# Altium PCB IOT2.PcbDoc
Units mm, origin at the board's own origin, x right, y up, seen from the top; angles counter-clockwise.
Board outline 78.49 x 72.26 mm, 2 copper layers (Top Layer, Bottom Layer); 16 components, 22 nets, 90 pads, 12 vias.
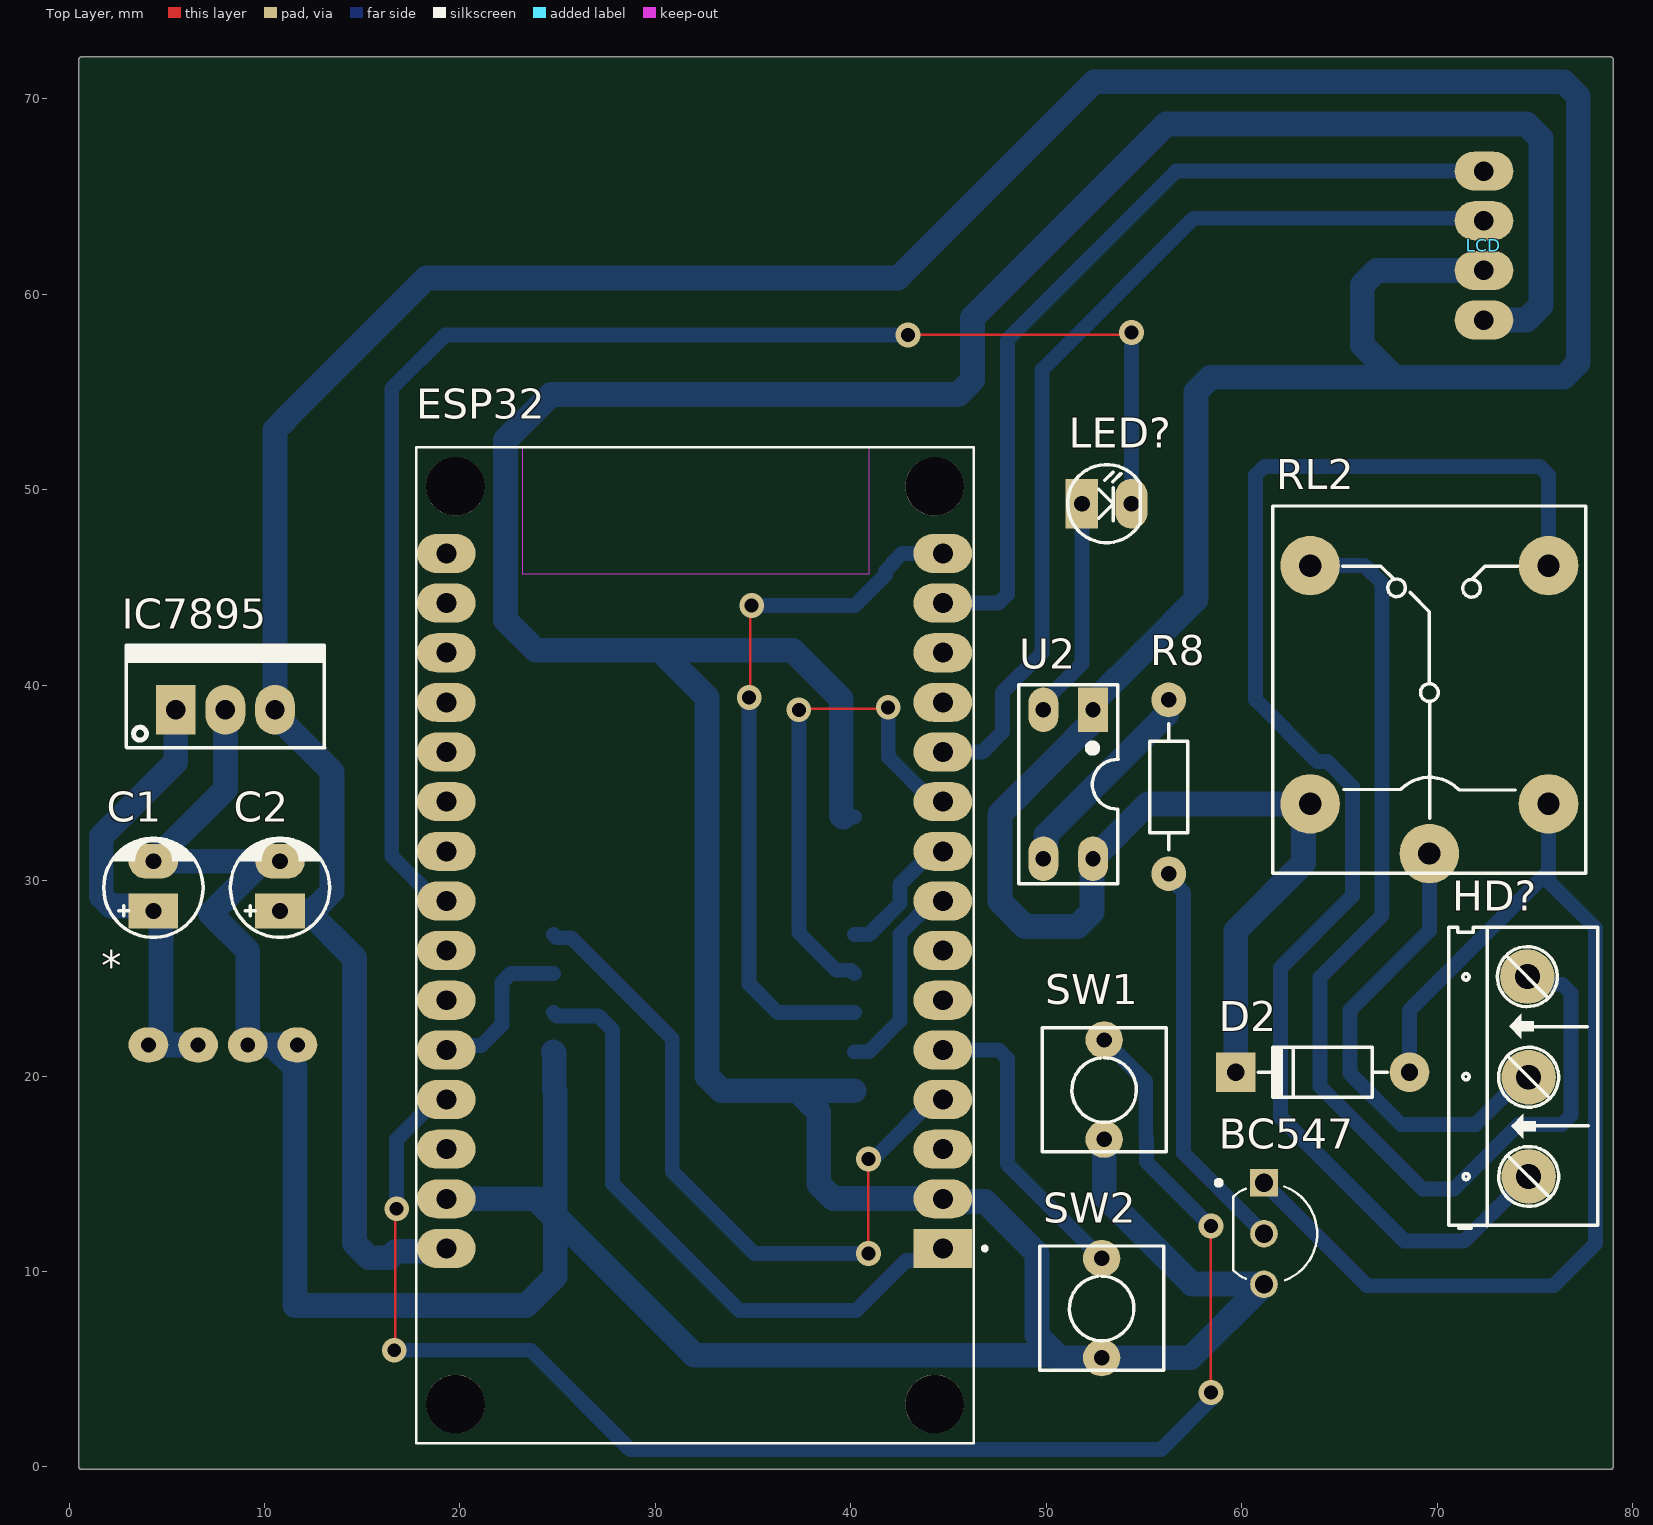
[diagram p0: Top Layer view]
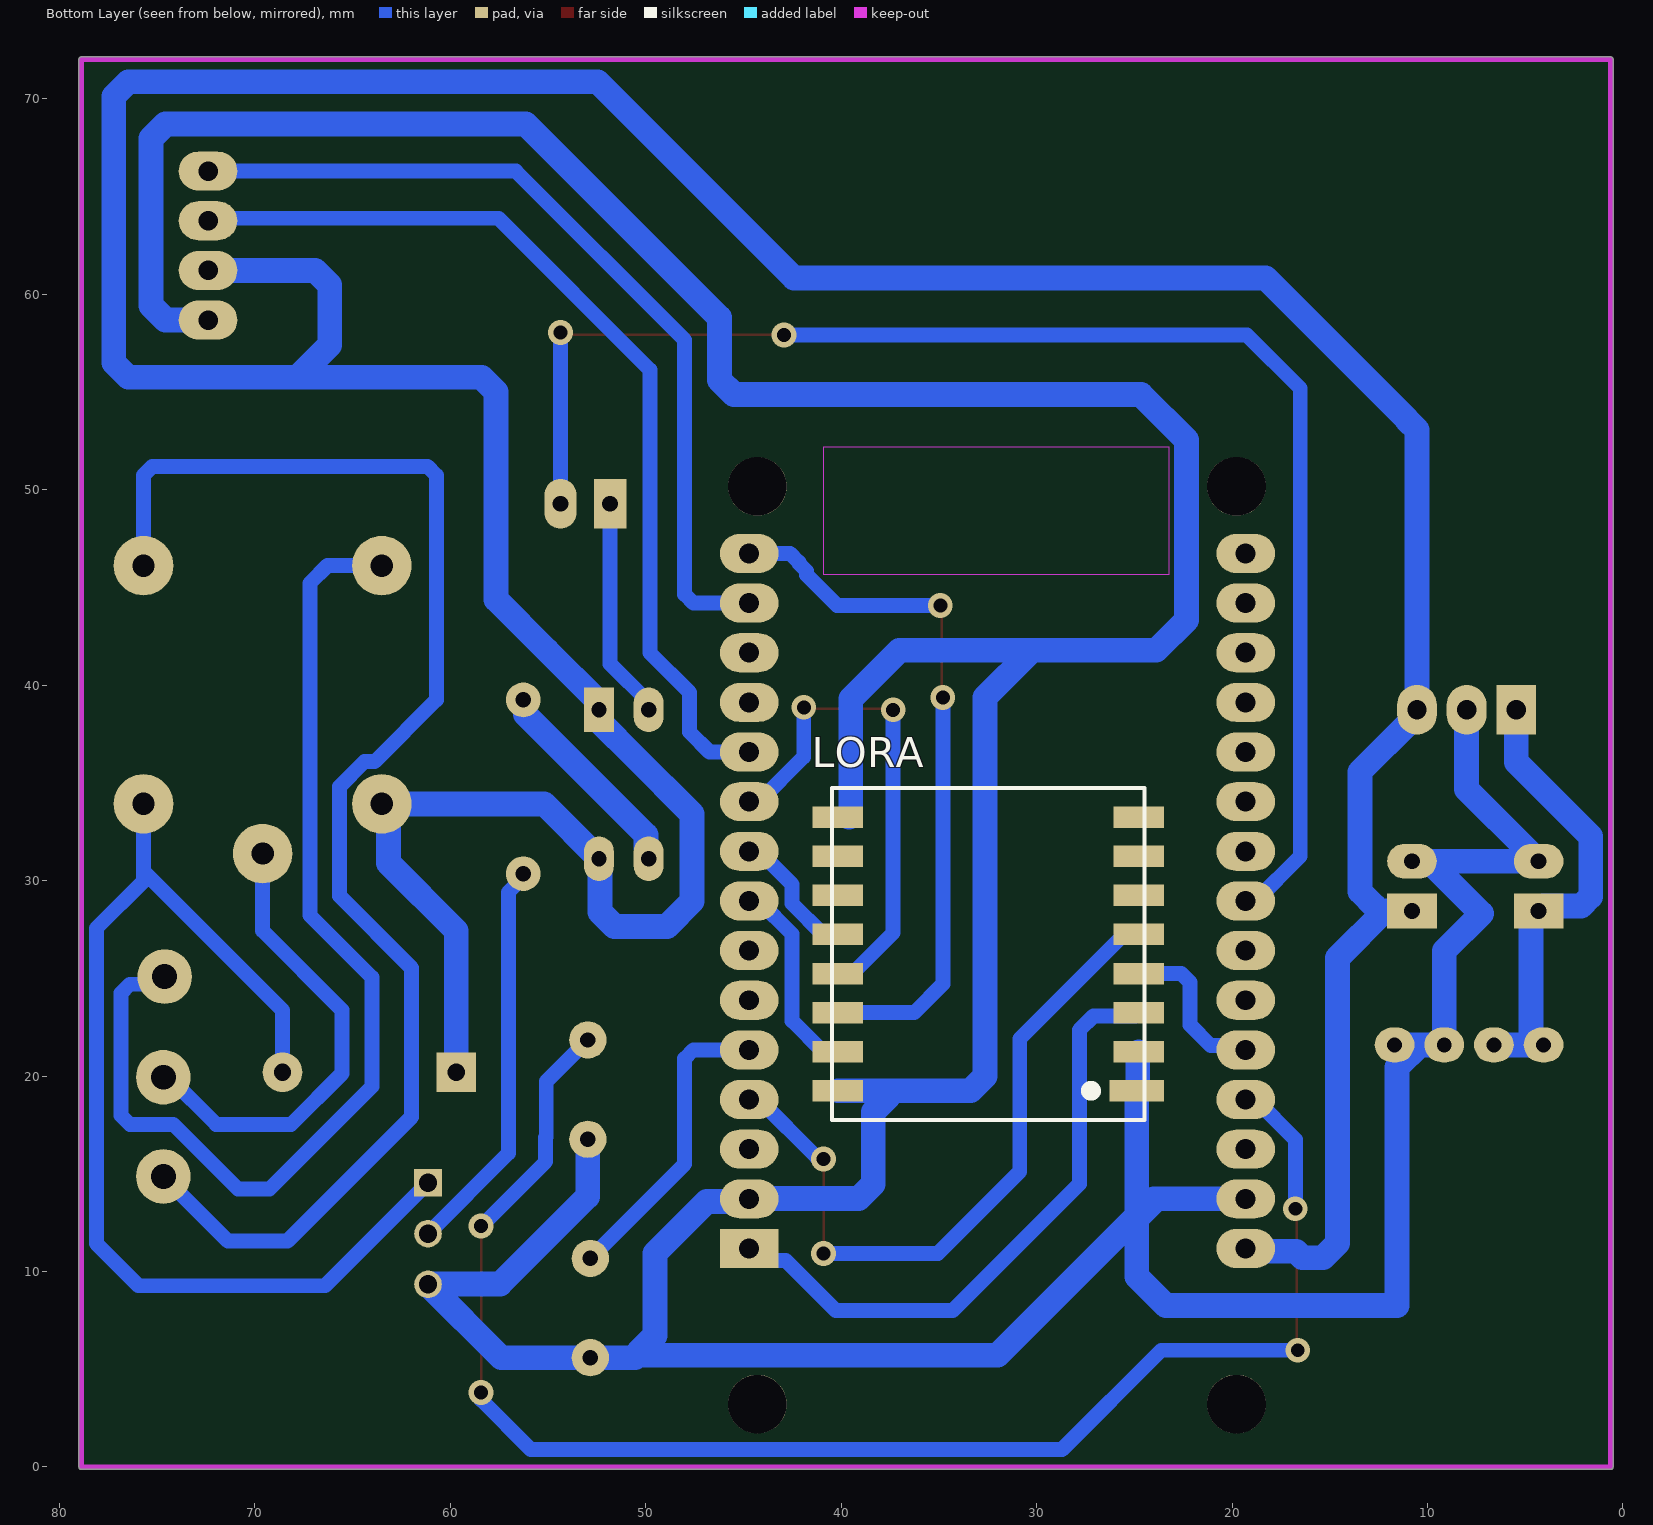
[diagram p1: Bottom Layer view, seen from below]
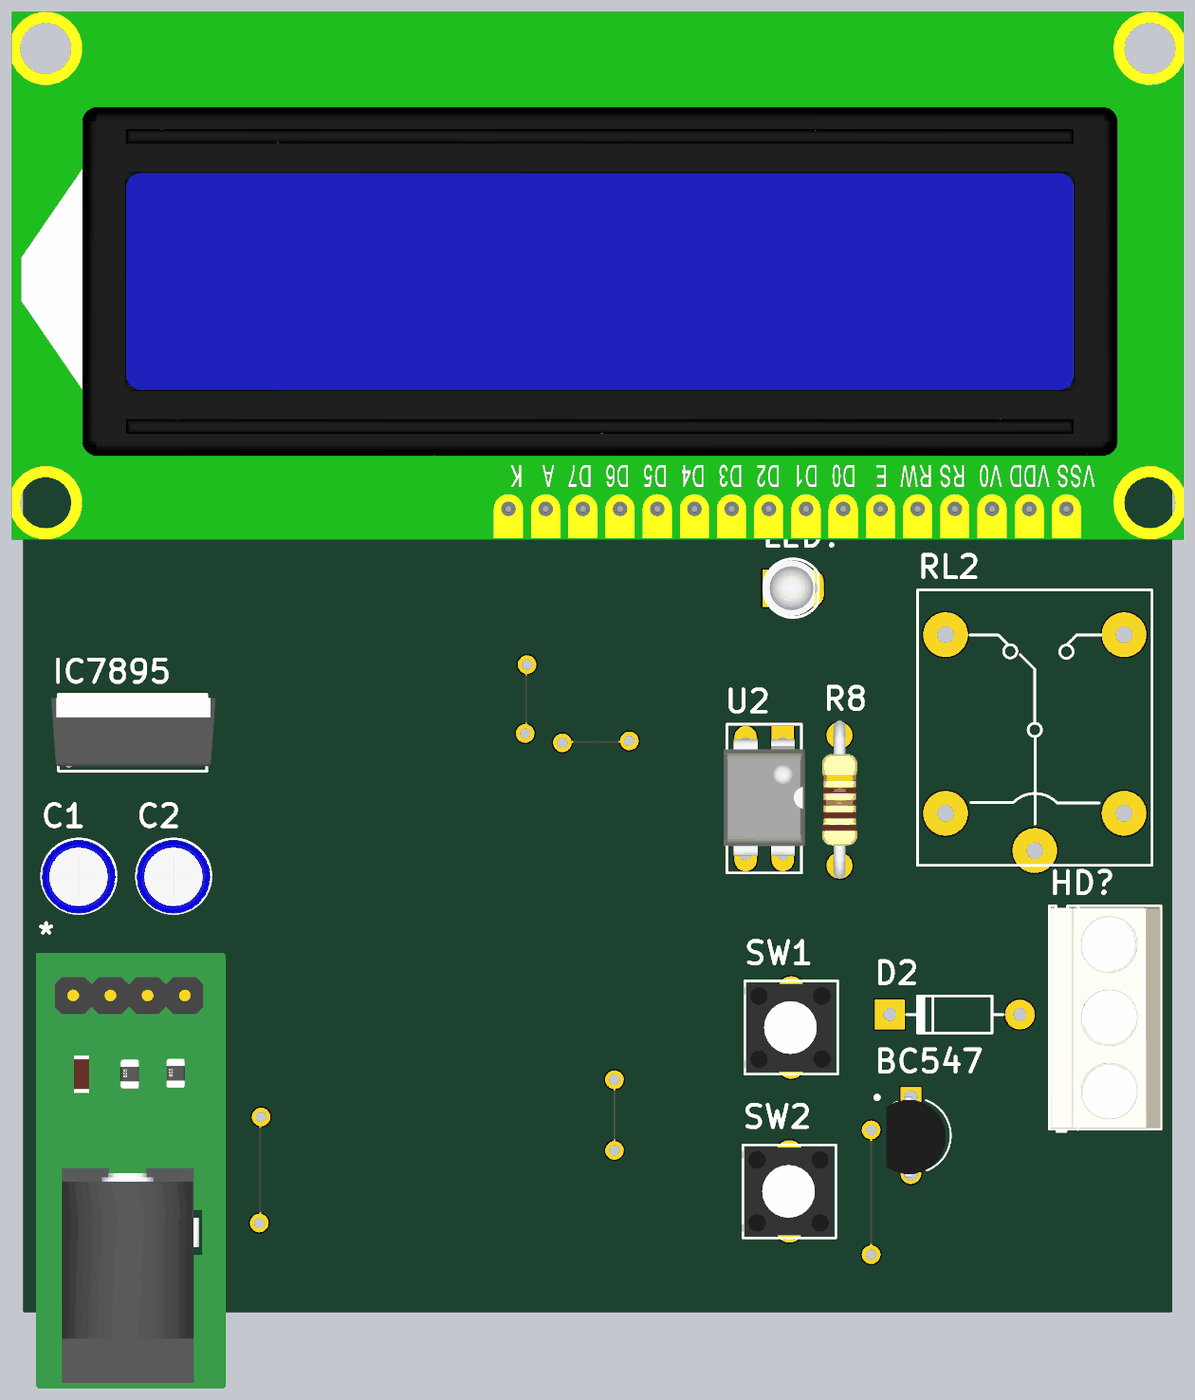
[diagram p2: 3D render of the assembled board from above, using the file's embedded part models]

## Layer stack, top to bottom
Top Solder: solder mask 0.0102, Solder Resist, Dk 3.5
Top Layer: signal copper 0.0356
Dielectric 1: dielectric 0.32, FR-4, Dk 4.8
Bottom Layer: signal copper 0.0356
Bottom Solder: solder mask 0.0102, Solder Resist, Dk 3.5

## Board outline
0.508,0 0.508,72.009 cw(c0.635,72.009) 0.635,72.136 78.867,72.136 cw(c78.867,72.009) 78.994,72.009 78.994,0 cw(c78.867,0) 78.867,-0.127 0.635,-0.127 cw(c0.635,0)

## Design rules (kind name [scope] priority, off if disabled: settings)
Clearance [All] p1: gap=0.254 ignorepadtopadclearanceinfootprint=FALSE except(0: Arc-Hole Track-Hole SMDPad-Hole THPad-Hole Via-Hole Fill-Hole Poly-Hole Region-Hole Text-Hole)
PolygonConnect [All] p1: connectstyle=Relief reliefconductorwidth=0.254 reliefentries=4 polygonreliefangle="90 Angle" airgapwidth=0.254
RoutingVias [All] p1: holewidth=0.711 width=1.27 viastyle="Through Hole" minholewidth=0.711 minwidth=1.27 maxholewidth=0.711 maxwidth=1.27
SolderMaskExpansion [All] p1: expansion=0.102 istentingtop=FALSE
Width [All] p1: maxlimit=1.27 minlimit=0.127 preferedwidth=0.762 toplayer_maxwidth=0.127 toplayer_prefwidth=0.127 bottomlayer_minwidth=0.762 minimp=50.000000 maximp=50.000000 favimp=50.000000
30 further rules are at their usual default settings.

## Components (designator, comment, footprint, x,y, rotation, side; value= is the part's Value field where it differs from the comment)
* "MODUL JACK 5.5MM" "MODUL JACK 5.5MM" 4.064,21.59 r270 top
BC547 "BC547A" BC547A 60.977,11.869 r270 top
C1 "10uF" CP1/2 4.318,28.448 r90 top value=10uF/50V
C2 "10uF" CP1/2 10.795,28.448 r90 top value=10uF/50V
D2 "Zener" D1A 68.58,20.193 r0 top
ESP32 "ESP32 30PIN" "ESP32 30P" -10.513,51.93 r180 top
HD? "Header 3" HED3 74.676,14.859 r90 top
IC7895 "LM7805" QTO-220 5.461,38.735 r0 top
LCD "LCD 1602 I2C" LCD1602 72.39,58.674 r0 top
LED? "LED" LED-3 51.816,49.276 r0 top value="LED 3 ly Single Colour"
LORA "LORA" "LORA RA-02" 35.052,26.162 r0 bottom
R8 "1k" R1/4W 56.261,39.243 r270 top value="R1/4W - 1K"
RL2 "Relay 10A/12V" RL_SPDT_10A 69.596,31.382 r90 top value="Relay SPDT, 10A, 12V"
SW1 "SW" SW2 52.959,16.764 r90 top value="SW chip 2 pin"
SW2 "SW" SW2 52.832,5.588 r90 top value="SW chip 2 pin"
U2 "PC817" DIP4/W0.3 52.389,38.735 r180 top

## Footprints (in the part's own frame and the unit in brackets; to place one, negate y for a bottom-side part, rotate by r counter-clockwise, add the part's x,y. Pads: shape width x height; smd on the part's side, far side on the other; paste and mask are expansions set on the pad)
BC547A [mm]
  rect 1.41x1.41 hole 0.94: 1(-2.669,0.158)
  round 1.41 hole 0.94: 2(-0.069,0.158) 3(2.531,0.158)
  silkscreen extent -2.77,-2.25 2.32,2.87, body extent -2.74,-1.54 2.79,2.54, height 9.78
CP1/2 [mil] "Tu hoa < 22uF/16>50V"
  rect 70x100 hole 32: 1(0,0)
  oval 70x100 hole 32: 2(100,0)
  silkscreen extent -53,-100 146,100, body extent -54,-99 144,100, height 296
D1A [mil] "Diode 1A, W 100mil, L 350mil"
  round 80 hole 35: 1(0,0)
  rect 80x80 hole 35: 2(-350,0)
  silkscreen extent -305,-50 -45,50, body extent -366,-42 16,41, height 100
DIP4/W0.3 [mil] "4 PIN, W 300mil, Pin to pin 100mil"
  rect 60x90 hole 31: 1(0,0)
  oval 60x90 hole 31: 2(100,0) 3(100,300) 4(0,300)
  silkscreen extent -50,-50 150,350, body extent -59,-10 159,305, height 170
"ESP32 30P" [mm] "30Pin"
  rect 3x2 hole 1.02: 1(-55.217,40.754)
  oval 3x2 hole 1.02: 2(-55.217,38.214) 3(-55.217,35.674) 4(-55.217,33.134) 5(-55.217,30.594) 6(-55.217,28.054) 7(-55.217,25.514) 8(-55.217,22.974) 9(-55.217,20.434) 10(-55.217,17.894) 11(-55.217,15.354) 12(-55.217,12.814) 13(-55.217,10.274) 14(-55.217,7.734) 15(-55.217,5.194) 16(-29.817,5.194) 17(-29.817,7.734) 18(-29.817,10.274) 19(-29.817,12.814) 20(-29.817,15.354) 21(-29.817,17.894) 22(-29.817,20.434) 23(-29.817,22.974) 24(-29.817,25.514) 25(-29.817,28.054) 26(-29.817,30.594) 27(-29.817,33.134) 28(-29.817,35.674) 29(-29.817,38.214) 30(-29.817,40.754)
  round 3 hole 3 unplated: ""(-54.797,48.714) ""(-54.797,1.764) ""(-30.287,48.714) ""(-30.287,1.764)
  Keep-Out Layer region: -33.737,-0.236 -51.427,-0.236 -51.427,6.254 -33.737,6.254
  Keep-Out Layer region: -33.737,-0.236 -51.427,-0.236 -51.427,6.254 -33.737,6.254
  silkscreen extent -57.47,-0.24 -28.29,50.71, body extent -56.62,-0.91 -28.42,51.54, height 7.05
HED3 [mil] "Header 3, 3 pin, hight 300mil, Pin to Pin 200, Colour Green"
  round 110 hole 50: 1(0,0) 2(200,0) 3(402.62,2.62)
  silkscreen extent -104,-139 502,161, body extent -94,-138 497,157, height 394
LCD1602 [mm] "I2C"
  oval 3x2 hole 1: 1(0,0) 2(0,2.54) 3(0,5.08) 4(0,7.62)
  body extent -72.63,-6.06 7.37,29.94, height 21.65
LED-3 [mil] "LED 2 PIN, 3ly Only colour"
  rect 65x100 hole 32: 1(0,0)
  oval 65x100 hole 32: 2(100,0)
  silkscreen extent -29,-78 118,79, body extent -29,-75 109,75, height 256
"LORA RA-02" [mm] "RA-02"
  rect 2.8x1.1 smd: 1(-10.175,6.92)
  rect 2.6x1.1 smd: 2(-10.275,4.92) 3(-10.275,2.92) 4(-10.275,0.92) 5(-10.275,-1.08) 6(-10.275,-3.08) 7(-10.275,-5.08) 8(-10.275,-7.08) 9(5.125,-7.08) 10(5.125,-5.08) 11(5.125,-3.08) 12(5.125,-1.08) 13(5.125,0.92) 14(5.125,2.92) 15(5.125,4.92) 16(5.125,6.92)
  silkscreen extent -10.58,-8.58 5.42,8.42, body extent -10.2,-8.58 5.8,8.42, height 3.03
"MODUL JACK 5.5MM" [mil]
  oval 70x80 hole 30: 1(0,100) 1(0,0) 2(0,300) 2(0,200)
  body extent -110,-105 1059,405, height 443
QTO-220 [mil] "TO-220 - 1-2-3"
  rect 80x100 hole 39: 1(0,0)
  oval 80x100 hole 39: 2(100,0) 3(200,0)
  silkscreen extent -100,-76 300,130, body extent -119,-64 322,121, height 905
R1/4W [mil] "R 1/4W, 2 Pin, 350mil"
  round 70 hole 31: 1(0,0) 2(350,0)
  silkscreen extent 48,-38 302,38, body extent -40,-47 386,47, height 111
RL_SPDT_10A [mil] "Relay SPDT, 5 pin, 10A,W 650mil, L 800mil, H 800mil"
  round 120 hole 45: 1(0,0) 2(580,240) 3(580,-240) 4(100,-240) 5(100,240)
  silkscreen extent -40,-315 700,315, body extent -40,-315 700,315, height 630
SW2 [mil] "SW button 2pin, 250x 250 mil"
  round 75 hole 31: 1(0,0) 2(200,0)
  silkscreen extent -25,-125 225,125, body extent -18,-116 218,128, height 197

## Part data
C1 C2: library part CP0, "Cap P  0,1uF < 22uF , 16 - 50V", Description 1="10 => 220uF/6,3V/10V - 10uF => 100uF/16V", Description 2="0,1uF => 33uF/50V - 10uF => 22uF/63V", Description 3="0,47uF => 10uF/100V"
D2: "DIOT ZENER"
ESP32: "30 PIN OUT MODULE"
HD?: library part Hed3, "Header 3 (Green)"
IC7895: library part LM78xx, "On ap +, from + 5 to + 24VDC"
LED?: "LED Single colour Green and Red"
R8: library part R, "Resistor 1/4W"
RL2: library part "Relay 1", "Relay SPDT,10A - 12VDC 5 Pin"
SW1 SW2: library part SW2, "Switch button 2 pin"
U2: "Single Opto"

## Via types
v1: diameter 1.27, hole 0.711, Top Layer to Bottom Layer, 12 vias

## Nets (pads, with @x,y where several pads share a name; then routed paths per layer and width w, separated by ;. In a path a pad name is that pad's centre, name@x,y a point inside that pad or via, vN(x,y) a via of type N, cw(c..) or ccw(c..) an arc to the next point about the centre after c; other vN are vias at no path point)
5V: C2.1 D2.2 ESP32.30 IC7895.3 LCD.2 RL2.5 U2.1 U2.4 | length 236
  Bottom Layer w1.27: C2.1 12.192,28.448 14.605,26.035 14.605,11.448 15.349,10.704 16.401,10.704 16.733,11.036 19.164,11.036 ESP32.30 ; 12.718,28.702 13.462,29.446 13.462,35.56 10.79,38.232 10.79,38.486 IC7895.3 10.541,51.816 10.541,53.058 11.049,53.566 11.049,53.594 18.288,60.833 42.418,60.833 52.451,70.866 76.472,70.866 77.216,70.122 77.216,56.497 76.472,55.753 67.818,55.753 ; D2.2 59.69,27.432 63.16,30.902 RL2.5@63.16,33.36 ; RL2.5 55.196,33.922 52.34,31.066 52.34,28.395 51.596,27.651 48.912,27.651 47.625,28.938 47.625,33.401 50.609,36.385 52.262,38.038 52.262,38.608 U2.1 52.389,39.116 55.056,41.783 57.658,44.385 57.658,55.009 58.402,55.753 67.818,55.753 ; LCD.2 66.911,61.214 66.167,60.47 66.167,57.404 67.818,55.753
COM: HD?.2 RL2.1 | length 24.2
  Bottom Layer w0.762: RL2.1 69.596,27.432 65.532,23.368 65.532,20.131 68.137,17.526 71.973,17.526 74.386,19.939 HD?.2
D2: ESP32.4 LORA.5 | length 36.8
  Top Layer w0.127: v1(40.894,10.922) v1(40.894,15.748)
  Bottom Layer w0.762: LORA.5 24.946,27.073 25.696,27.073 30.861,21.908 30.861,15.113 35.052,10.922 v1(40.894,10.922) ; v1(40.894,15.748) 40.991,15.845 41.253,15.845 44.204,18.796 ESP32.4
D5: ESP32.8 LORA.15 | length 10.3
  Bottom Layer w0.762: LORA.15 40.927,21.242 42.505,22.82 42.505,27.257 44.204,28.956 ESP32.8
D14: ESP32.26 LORA.4 | length 8.4
  Bottom Layer w0.762: ESP32.26 19.524,21.556 21.091,21.556 22.152,22.618 22.152,24.796 22.599,25.242 LORA.4
D18: ESP32.9 LORA.12 | length 6.9
  Bottom Layer w0.762: LORA.12 40.927,27.242 42.505,28.82 42.505,29.797 44.204,31.496 ESP32.9
D19: ESP32.10 LORA.13 | length 26
  Top Layer w0.127: v1(37.338,38.735) 37.401,38.798 41.846,38.798 v1(41.91,38.862)
  Bottom Layer w0.762: v1(37.338,38.735) 37.338,27.331 39.258,25.411 40.008,25.411 LORA.13 ; v1(41.91,38.862) 41.91,36.33 44.204,34.036 ESP32.10
D23: ESP32.15 LORA.14 | length 36.4
  Top Layer w0.127: v1(34.798,39.37) 34.861,39.433 34.861,44.005 v1(34.925,44.069)
  Bottom Layer w0.762: v1(34.798,39.37) 34.798,24.705 36.26,23.242 LORA.14 ; v1(34.925,44.069) 40.205,44.069 41.767,45.631 41.767,45.831 42.164,46.228 42.164,46.29 42.61,46.736 ESP32.15
GND: *.2 BC547.3 C1.2 C2.2 ESP32.2 ESP32.29 IC7895.2 LCD.1 LORA.1 LORA.2 LORA.9 LORA.16 SW1.1 SW2.1 | length 290.1
  Bottom Layer w0.762: LORA.9@39.597,33.242 LORA.9
  Bottom Layer w1.27: C1.2 C2.2@9.525,30.988 ; C1.2@4.562,30.988 4.796,31.223 4.796,31.466 8.001,34.671 IC7895.2 ; C2.2 C2.2@9.525,30.988 ; *.2@11.684,21.59 10.414,21.59 ; ESP32.29 24.003,13.716 24.003,13.574 24.877,12.7 ; LORA.2 24.827,21.192 24.827,19.292 LORA.1 24.877,12.842 ; LORA.9@39.597,33.242 39.512,33.327 39.512,39.285 37.014,41.783 30.226,41.783 ; LORA.16 37.592,19.242 ; 50.546,5.588 SW2.1 57.385,5.588 BC547.3 61.108,9.365 57.437,9.365 52.959,13.843 SW1.1 ; LCD.1@72.632,58.674 74.567,58.674 75.311,59.418 75.311,67.963 74.567,68.707 56.134,68.707 46.228,58.801 46.228,55.608 45.484,54.864 24.665,54.864 22.335,52.534 22.335,43.324 23.876,41.783 30.226,41.783 ; C2.2@9.525,30.988 9.525,30.594 7.239,28.308 9.144,26.403 9.144,21.59 10.414,21.59 ; 10.414,21.59 11.557,20.447 11.557,8.255 23.386,8.255 24.877,9.746 24.877,12.7 ; 24.877,12.7 24.877,12.842 ; 24.877,12.842 32.004,5.715 50.148,5.715 50.347,5.914 49.53,6.731 49.53,10.922 46.876,13.576 44.844,13.576 44.686,13.734 39.098,13.734 38.354,14.478 38.354,18.161 37.592,18.923 37.592,19.242 ; 30.226,41.783 32.639,39.37 32.639,19.986 33.383,19.242 37.592,19.242
IN: ESP32.23 LED?.2 | length 75.5
  Top Layer w0.127: v1(42.926,57.912) 54.229,57.912 v1(54.356,58.039)
  Bottom Layer w0.762: ESP32.23 18.804,28.956 16.51,31.25 16.51,55.18 19.242,57.912 v1(42.926,57.912) ; LED?.2 v1(54.356,58.039)
NC: HD?.3 RL2.2 | length 56.5
  Bottom Layer w0.762: RL2.2 66.281,46.114 67.183,45.212 67.183,28.227 64.008,25.052 64.008,19.457 69.241,14.224 70.866,14.224 74.168,17.526 76.389,17.526 76.835,17.972 76.835,24.25 76.389,24.697 74.998,24.697 HD?.3
Net*_1: *.1 C1.1 IC7895.1 | length 23.7
  Bottom Layer w1.27: *.1@4.064,21.59 *.1@4.699,21.59 ; IC7895.1 5.461,36.068 1.651,32.258 1.651,29.192 2.141,28.702 4.064,28.702 C1.1 4.445,28.448 4.699,28.194 *.1@4.699,21.59 ; *.1@6.604,21.59 *.1@4.699,21.59
NetBC547_1: BC547.1 D2.1 RL2.4 | length 56.8
  Bottom Layer w0.762: BC547.1 66.402,9.271 75.946,9.271 78.105,11.43 78.105,27.559 75.692,29.972 75.692,30.476 ; D2.1 68.58,23.364 75.44,30.224 75.692,30.476 ; RL2.4 75.692,30.476
NetBC547_2: BC547.2 R8.2 | length 20.4
  Bottom Layer w0.762: R8.2 56.261,30.161 57.023,29.399 57.023,16.05 BC547.2
NetESP32_1: ESP32.1 LORA.3 | length 32.2
  Bottom Layer w0.762: LORA.3 24.946,23.073 27.092,23.073 27.813,22.352 27.813,14.478 34.29,8.001 40.277,8.001 42.833,10.557 44.085,10.557 ESP32.1
NetESP32_5: ESP32.5 SW2.2 | length 15.7
  Bottom Layer w0.762: ESP32.5 47.56,21.336 48.006,20.89 48.006,15.494 SW2.2
NetESP32_27: ESP32.27 SW1.2 | length 79.8
  Top Layer w0.127: v1(16.637,5.969) 16.7,6.032 16.7,13.144 v1(16.764,13.208) ; v1(58.42,3.81) v1(58.42,12.319)
  Bottom Layer w0.762: v1(16.637,5.969) 23.622,5.969 28.702,0.889 55.88,0.889 58.42,3.429 v1(58.42,3.81) ; v1(16.764,13.208) 16.764,16.756 18.804,18.796 ESP32.27 ; SW1.2 55.086,19.717 55.086,16.882 55.118,16.85 55.118,15.621 v1(58.42,12.319)
NetLED?_1: LED?.1 U2.2 | length 11.4
  Bottom Layer w0.762: U2.2 49.849,39.116 51.816,41.083 LED?.1
NetR8_1: R8.1 U2.3 | length 10.8
  Bottom Layer w1.27: U2.3 49.849,31.565 49.976,31.692 49.976,32.323 56.164,38.511 56.164,39.146 R8.1
NO: HD?.1 RL2.3 | length 73.4
  Bottom Layer w0.762: HD?.1 71.374,11.557 68.326,11.557 61.976,17.907 61.976,25.527 65.659,29.21 65.659,34.816 64.394,36.081 63.868,36.081 60.706,39.243 60.706,50.735 61.152,51.181 75.246,51.181 75.692,50.735 RL2.3
SCL: ESP32.14 LCD.4 | length 44.8
  Bottom Layer w0.762: ESP32.14 47.56,44.196 48.006,44.642 48.006,57.658 56.642,66.294 LCD.4@72.744,66.294
SDA: ESP32.11 LCD.3 | length 48
  Bottom Layer w0.762: ESP32.11 46.736,36.576 47.752,37.592 47.752,39.624 49.784,41.656 49.784,56.134 57.531,63.881 LCD.3@71.496,63.881 ; LCD.3 LCD.3@72.517,63.881
pads on no net: ESP32. ESP32.3 ESP32.6 ESP32.7 ESP32.12 ESP32.13 ESP32.16 ESP32.17 ESP32.18 ESP32.19 ESP32.20 ESP32.21 ESP32.22 ESP32.24 ESP32.25 ESP32.28 LORA.6 LORA.7 LORA.8 LORA.10 LORA.11

## Keep-outs
Bottom Layer:
  lines w0.254: 0.635,0 0.635,72.009 78.867,72.009 78.867,0 0.635,0